# KiCad board MainPCB.kicad_pcb (continued)
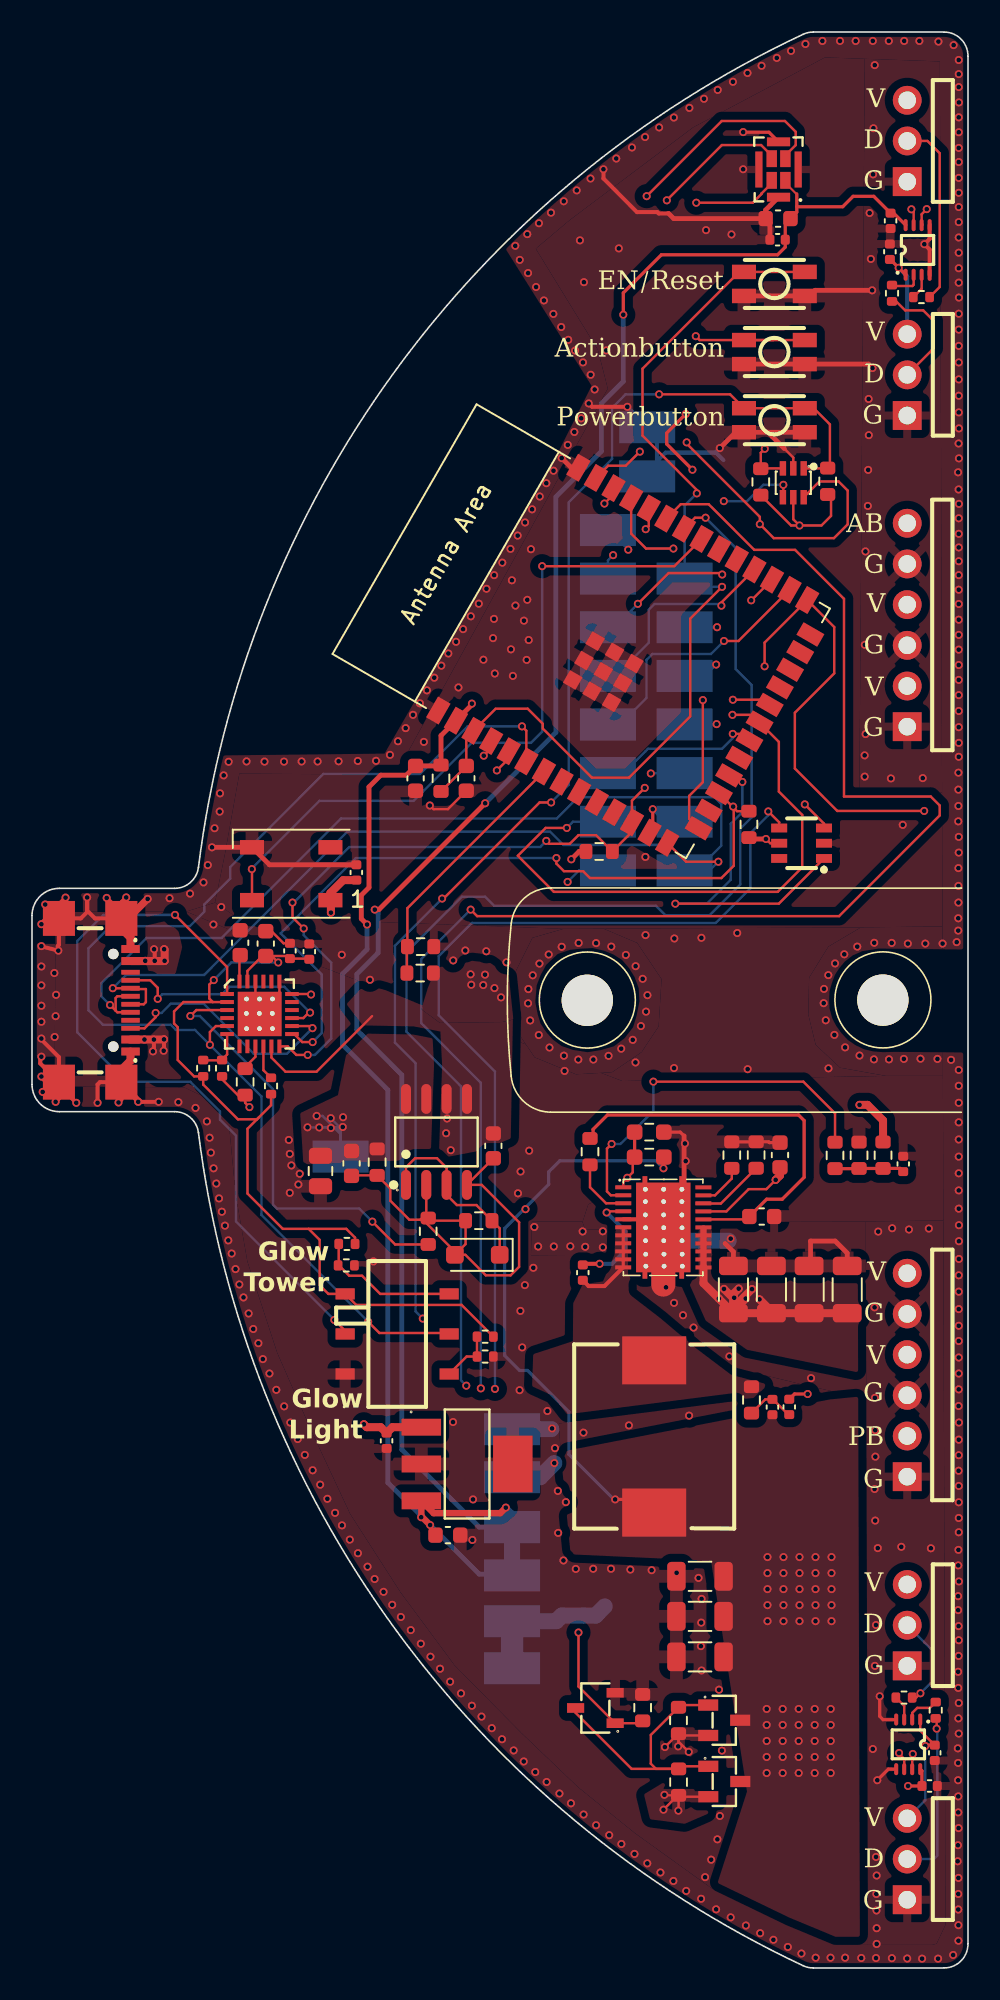
[diagram p0: board, top side]
## Copper pours and planes (outline as drawn; the poured copper is in the pictures) (continued)
GND on Top, Bottom, In1.Cu, In2.Cu: -89.12,146.67 187.27,148.31 188.58,-43.5 -90.1,-43.82 56.53,1.52 57.08,2.69 56.73,119.02 49.55,119.27 41.32,114.91 33.58,109.1 31.48,107.33 35.36,101.02 35.98,98.6 23.03,75.07 22.02,74.5 12.96,74.56 12.06,69.55 11.44,66.51 9.64,65.95 1.48,65.95 1.42,55.42 2.04,55.03 9.52,54.97 11.27,54.13 12.28,53 12.73,48.27 13.46,44.11 15.32,38.42 17.46,33.53 19.88,28.35 23.03,23.45 26.41,18.89 30.58,14.67 34.12,11.29 37.67,8.42 42.68,4.82 47.12,2.68 50.11,1.44 56.9,1.44 -88.33,-43.33
GND on Top, Bottom, In1.Cu, In2.Cu: 33.21,64.87 35.74,64.87 37.82,63.99 39.34,61.73 39.16,58.78 38.09,57.17 36.25,55.92 33.99,55.79 31.41,56.85 30.07,58.83 30.03,61.82 31.27,64.31
GND on Top, Bottom, In2.Cu: 57.14,45.57 57.2,45.34 57.65,1.2 52.24,1.13 52.1,46.6 57.31,46.67
GND on Bottom: 33.43,36.54 31.83,34.38 30.09,36.07 28.73,37.29 28.21,38.37 28.44,47.05 31.68,50.77 32.89,51.96 39.68,52.22 40.49,51.1 40.9,50.72 40.81,49.49 40.61,48.51 38.59,48.33 33.73,48.75 31.88,46.79 31.39,45.8 31.2,39.07
GND on Bottom: 38.58,59.07 36.25,55.92 37.61,51.71 40.2,52.46 41.24,54.19 41.71,55.82 40.31,56.79 38.47,58.41
GND on Bottom: 33.04,9.61 36.28,16.48 35.61,20.11 34.35,22.49 34.1,25.03 33.99,28.1 33.5,31.75 38.57,30.37 43.35,36.69 41.61,43.35 41.59,43.12 41.7,48.89 41.19,49.68 38.85,50.15 37.69,52.7 36.8,55.39 36.45,56.66 37.53,56.85 38.5,57.9 39.2,60.16 39.34,61.73 38.66,63.11 38.3,63.82 41.52,64.09 44.71,64.51 45.9,67.45 47.23,69.97 46.56,90.71 43.39,95.12 43.55,116.79 42.61,116.25 42.5,107.03 42.45,96.85 42.45,94.71 45.65,90.47 45.98,89.99 45.96,85.19 45.92,79.06 45.86,69.37 45.27,67.79 44.29,66.44 37.35,64.2 37.58,63.07 35.54,57.3 35.56,55.92 37.9,50.04 37.52,49.27 37.62,43 37.62,41.23 34.57,38.16 32.5,36.01 31.07,35.17 31.83,33.15 32.24,29.16 32.56,23.84 32.91,21.24 33.25,19.26 34.88,18.69 35.2,17.86 34.93,16.19 32.22,11.26
GND on Bottom: 33.37,31.25 35.98,28.56 36.87,28.5 37.28,29.06 37.25,29.81 36.48,30.46 34.18,32.62 34.14,34.75 33.75,35.56 33.16,36.01 33.78,36.39 34.82,35.39 35.01,33.35 35.37,32.63 37.83,30.72 38.37,29.73 37.92,28.25 36.76,27.41 35.77,27.73 34.54,28.46 33.58,29.45
GND on In1.Cu: 36.75,49.6 43.02,49.54 42.17,42.64 36.42,42.67
GND on In1.Cu: -99.25,156.16 197.64,156.16 197.64,-53.45 -98.91,-53.8
GND on In2.Cu: 34.26,47.2 34.56,49.13 35,50.33 36.42,50.72 37.61,51.14 38.99,49.6 38.72,43.36 40.03,42.67 40.78,41.17 43.31,38.56 46.37,37.65 48.78,37.67 49.43,36.04 49.32,34.18 47.65,33.71 43.95,34.01 40.48,34.09 37.14,34.74 35.49,36.75 35.42,42.38 35.64,44.53
GND on In2.Cu: 10.01,67.82 24.68,60.89 24.39,56.08 23.45,48.78 22.92,46.39 19.72,46.07 18.91,46.66 17.95,50.02 17.5,51.18 10.17,51.59 10.45,52.48 12.28,52.34 16.04,52.1 18.26,52.16 19.9,46.96 22.08,47.02 23.69,56.11 23.1,59.74 12.5,64.6 9.64,65.95
GND on In2.Cu: 26.01,45.7 25.67,43.26 25.49,41.03 33.66,38.3 35.49,36.75 36,38.36 36.05,39.62 36.27,49.9 27.65,51.54
GND on In2.Cu: 8.54,68.48 17.12,64.93 18.01,66.14 20.48,65.64 25.48,62.16 27.29,62.72 28.8,62.67 30.03,61.82 38.38,64.1 51.64,64.06 57.46,64.6 58.94,124.32 12.42,120.03
VBUS on Top: 19.93,58.5 19.12,54.49 16.76,53.37 16.96,50.16 25.32,50.5 25.63,56.35 25.52,58.46 23.84,58.78 20.67,58.84
VBUS on Top: 6.69,63.23 6.84,62.37 7.21,62.02 8.97,62.05 9.39,63.73 9.06,65.17 8.44,65.38 6.94,65.03 6.63,64.25
VBUS on Top: 5.8,58.19 7.55,58.97 9.01,59.09 9.59,58.94 9.82,58.13 10.43,55.95 9.8,54.54 8.27,55.25 6.89,56.12 6.96,57.44
VBUS on Bottom: 17.81,54.34 16.95,52.86 17.09,49.46 21.29,49.34 21.14,51.65 18.69,54.16
VBUS on In2.Cu: -1.22,68.72 10.01,66.92 12.88,64.9 18.94,62.99 24.22,60.69 24.39,56.08 23.45,48.78 23.15,46.77 19.29,46.87 17.34,51.51 -2.02,52.92
USB_PD_IC_VDC_OUT on Top: 25.42,50.53 28.05,51.03 29.92,51.78 30.06,59.65 25.34,59.7 22.1,61.04 20.8,61.41 19.65,60.17 20.67,58.84 23.84,58.78 25.52,58.46 25.63,56.35
USB_PD_IC_VDC_OUT on Top: 40.06,15.6 38.87,14.47 39.15,13.03 40.51,12.8 42.15,12.97 43.23,14.67 42.82,15.55 40.78,15.64
USB_PD_IC_VDC_OUT on Top: 41.31,46.35 41.09,42.67 42.1,40.41 44.68,38.59 52.5,37 52.19,43.08 43.5,43.05 42.43,44.69 42.5,46.16
USB_PD_IC_VDC_OUT on Top: 39.56,11.64 38.24,10.84 38.62,9.28 40.79,9 42.78,9.86 43.15,10.88 42.91,11.66
USB_PD_IC_VDC_OUT on Top: 26.46,63 25.2,62.3 24.74,61.19 24.33,59.85 25.49,59 29.36,59.05 30.08,59.21 29.8,61.93 28.64,62.74
USB_PD_IC_VDC_OUT on In2.Cu: 41.44,15.25 41.18,9.14 38.66,8.33 32.24,13.3 26.34,19.74 20.17,29.73 22.13,33.97 17.56,39.5 17.62,44.83 22.92,46.39 24.6,57.44 26.92,53.5 26.26,45 24.83,39.54 27.02,37.49 27.75,32.76 29.76,25.01 32.64,19.65
USB_PD_IC_VDC_OUT on In2.Cu: 23.63,63.79 51.64,64.06 52.83,36.67 25.57,40.56
Net-(C37-Pad2) on Top: 45.99,36.95 45.6,35.63 33.5,34.48 32.53,35.73 31.25,36.31 31.32,38.32 33.8,39.13 33.82,41.5 34.41,42.67 35.68,42.86 36.4,44.53 36.47,46.22 37.47,46.26 37.69,43.55 37.79,42.34 43.92,37.49

## Text on the board
B.Silkscreen: IO36/SPI SCK | IO13/I2S SCK | IO35/SPI MO | IO12/I2S WS | IO9/I2C SCL | IO8/I2C SDA | IO14/I2S SD | IO37/SPI MI | GND | IO1/PB | TX | EN | RX | IO3/AB | IO19/USB D- | IO20/USB D+ | 5V | 3.3V | VBUS | Documents: | bit.ly/3BGik9H | LED3/IO4 | LED1/IO42 | LED2/IO41 | LED4/IO5 | POWERBUTTON | ACTIONBUTTON | GlowLight/GlowTower v2.0 / Main PCB
F.Silkscreen: EN/Reset | Actionbutton | Powerbutton | G | V | AB | D | PB | Glow / Tower | Glow / Light
